# Altium PCB GateDriver_board_pcb.PcbDoc (part 2 of 3) (continued)
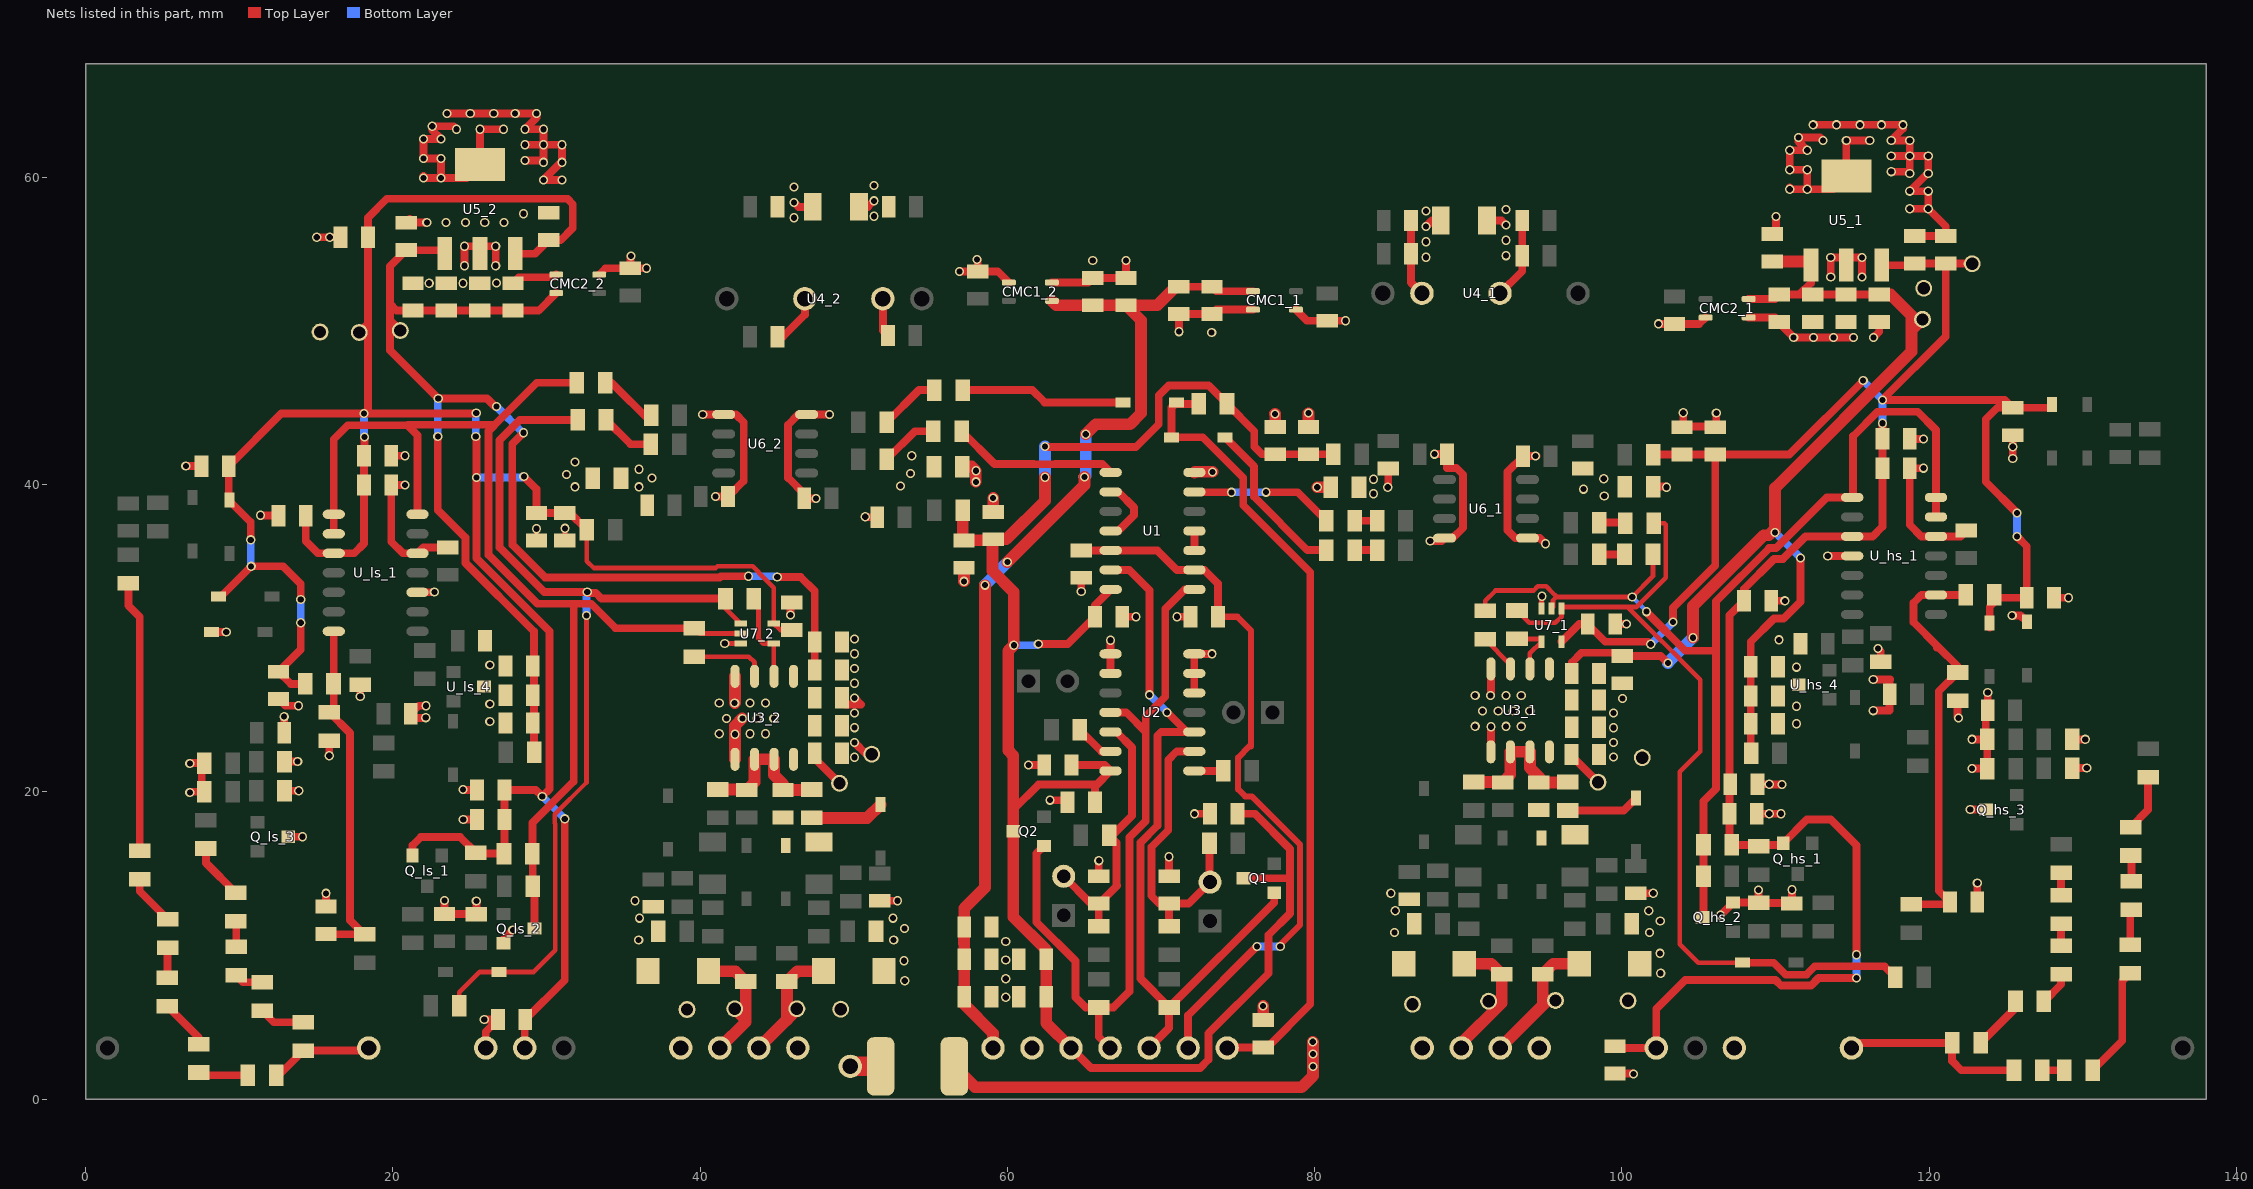
[diagram p2: the nets of this part, all layers, seen from the top]
## Nets (pads, with @x,y where several pads share a name; then routed paths per layer and width w, separated by ;. In a path a pad name is that pad's centre, name@x,y a point inside that pad or via, vN(x,y) a via of type N, cw(c..) or ccw(c..) an arc to the next point about the centre after c; other vN are vias at no path point) (continued)
  Top Layer w0.762: C8.1@57.175,11.199 57.175,10.121 57.191,10.137 C11.1@57.191,9.099 C10.1@57.191,6.652 57.191,6.159 59.065,4.285 PW_12.1@59.065,3.325 ; C8.1@57.191,11.199 57.191,12.416 58.55,13.775 v1(58.55,33.45) ; v1(60,34.95) 65.025,39.975 v1(65.025,40.5) ; CMC1_2.1@62.898,51.957 63.188,51.667 C30_2.1@65.562,51.667 C29_2.1@67.721,51.667 ; v1(65.1,43.275) 65.75,43.925 67.99,43.925 68.7,44.635 68.7,50.688 C29_2.1@67.721,51.667 ; C29_1.1@71.166,52.875 70.975,52.875 69.767,51.667 C29_2.1@67.721,51.667
  Bottom Layer w0.762: v1(58.55,33.45) 58.55,33.484 60,34.934 v1(60,34.95) ; v1(65.025,40.5) 65.1,40.575 v1(65.1,43.275)
\E\R\R_HS: FB12_1.1 Q_hs_2.3 R9_1.1 R_hs_1.1 R_hs_10.1 U7_1.2 U_hs_1.1 U_hs_1.13 U_hs_1.14 | length 71.7
  Top Layer w0.305: R9_1.1@91.1,31.775 91.1,32.425 91.775,33.1 94.248,33.1 94.528,33.381 95.072,33.381 95.552,32.9 95.639,32.814 95.772,32.681 ; U7_1.2@95.425,31.925 95.519,32.019 95.519,32.472 95.728,32.681 95.772,32.681 ; FB12_1.1@102.025,35.475 102.025,35.275 102.025,34.03 v1(100.676,32.681) 95.772,32.681
  Top Layer w0.508: v1(101.605,31.727) 101.605,31.699 104.129,29.175 106.125,29.175 ; FB12_1.1@101.846,35.454 FB12_1.1@102.025,35.275 ; Q_hs_2.3@105.242,11.842 105.317,11.917 R_hs_10.1@105.317,14.509 R_hs_1.1@105.317,16.541 105.317,19.39 106.125,20.198 106.125,29.175 ; U_hs_1.13@120.447,37.891 U_hs_1.14@120.447,39.161 120.447,43.548 119.252,44.743 116.645,44.743 115.055,43.153 115.055,39.219 U_hs_1.1@114.997,39.161 113.332,39.161 110.035,35.864 109.584,35.864 106.125,32.404 106.125,29.175
  Bottom Layer w0.305: v1(100.676,32.681) v1@101.605,31.752 ; v1@101.466,31.865 v1(101.605,31.727) v1@101.731,31.6 ; v1(101.605,31.727) v1@101.605,31.752 ; v1@101.7,31.657 v1@101.605,31.752
\E\R\R_LS: FB12_2.1 Q_ls_2.3 R9_2.1 R_ls_1.1 R_ls_10.1 U7_2.2 U_ls_1.1 U_ls_1.2 U_ls_1.14 | length 79.1
  Top Layer w0.305: R9_2.1@39.625,30.65 39.975,30.3 41.323,30.3 41.328,30.306 42.644,30.306 U7_2.2@42.65,30.3
  Top Layer w0.508: U_ls_1.2@16.154,36.794 U_ls_1.1@16.154,38.064 16.154,42.944 17.067,43.857 20.953,43.857 ; U_ls_1.14@21.604,38.064 21.604,43.206 20.953,43.857 ; 26.636,43.886 26.625,43.875 ; Q_ls_2.3@29.21,11.1 29.21,13.75 R_ls_10.1@29.11,13.85 29.11,15.95 R_ls_1.1@29.085,15.975 29.085,17.989 31.775,20.679 31.775,32.237 ; FB12_2.1@31.975,46.625 29.371,46.625 26.632,43.886 26.614,43.886 ; R9_2.1@39.625,30.65 34.5,30.65 32.913,32.237 31.775,32.237 ; 20.953,43.857 20.981,43.886 26.614,43.886 ; 26.614,43.886 26.625,43.875 ; 26.625,43.875 26.232,43.482 26.232,35.418 29.412,32.237 31.775,32.237
A1_1: FB9_1.2 R20_1.1 | length 1.5
  Top Layer w0.508: FB9_1.2@82.617,37.638 R20_1.1@84.069,37.638
A1_2: FB9_2.2 R20_2.1 | length 3.8
  Top Layer w0.508: R20_2.1@52.147,41.638 53.984,43.475 FB9_2.2@55.175,43.475
A2_1: FB11_1.2 R22_1.1 | length 1.5
  Top Layer w0.508: FB11_1.2@82.617,35.733 R22_1.1@84.069,35.733
A2_2: FB11_2.2 R22_2.1 | length 4
  Top Layer w0.508: R22_2.1@52.147,44.051 54.246,46.15 FB11_2.2@55.25,46.15
B1_1: FB10_1.2 R21_1.1 | length 1.7
  Top Layer w0.508: R21_1.1@98.525,37.525 100.175,37.525 FB10_1.2@100.225,37.475
B1_2: FB10_2.2 R21_2.1 | length 3.6
  Top Layer w0.508: FB10_2.2@33.875,44.225 35.475,42.625 R21_2.1@36.8,42.625
B2_1: FB12_1.2 R23_1.1 | length 1.7
  Top Layer w0.508: R23_1.1@98.525,35.45 100.15,35.45 FB12_1.2@100.175,35.475
B2_2: FB12_2.2 R23_2.1 | length 4.1
  Top Layer w0.508: FB12_2.2@33.825,46.625 34.237,46.625 R23_2.1@36.811,44.051
Command_HS: D_hs_3.2 FB10_1.1 R3_1.1 R_hs_20.2 U7_1.1 | length 55.7
  Top Layer w0.305: R3_1.1@93.175,31.8 93.975,31 95.675,31 96.075,31.4 U7_1.1@96.075,31.925 96.075,32.025 100.375,32.025 ; FB10_1.1@102.075,37.475 102.775,37.475 102.856,37.394 102.856,33.933 100.947,32.025 100.375,32.025 ; D_hs_3.2@107.86,8.875 104.975,8.875 103.775,10.075 103.775,21.3 105.1,22.625 105.1,27.3 103.737,28.663 103.737,28.68 103.305,29.112 103.297,29.112 102.053,30.356 102.044,30.356 100.375,32.025
  Top Layer w0.508: D_hs_3.2@107.86,8.875 109.883,8.875 110.666,8.093 112.014,8.093 112.559,8.638 117.087,8.638 R_hs_20.2@117.8,7.925
Command_LS: D_ls_3.2 FB10_2.1 R3_2.1 R_ls_20.2 U7_2.1 | length 63.2
  Top Layer w0.305: R_ls_20.2@24.325,6.075 24.325,6.95 25.65,8.275 D_ls_3.2@26.915,8.275 29.175,8.275 30.581,9.681 30.581,17.923 30.535,17.969 30.535,18.536 32.604,20.606 v1(32.604,31.475) ; R3_2.1@41.65,32.575 41.65,31.95 U7_2.1@42.65,30.95
  Top Layer w0.508: FB10_2.1@32.025,44.225 32,44.2 28.254,44.2 26.943,42.889 26.943,35.911 29.853,33.002 v1(32.652,33.002) 32.705,32.949 33.207,32.949 33.581,32.575 R3_2.1@41.65,32.575
  Bottom Layer w0.508: v1(32.604,31.475) 32.604,32.375 ; 32.625,32.395 32.604,32.375 ; v1(32.652,33.002) 32.604,32.954 32.604,32.375
Current_ref_sig_hs: C_hs_12.1 R_hs_26.1 R_hs_27.2 R_hs_28.2 U_hs_1.9 | length 27.3
  Top Layer w0.508: R_hs_27.2@118.85,12.675 121.21,12.675 C_hs_12.1@121.36,12.825 120.625,13.56 120.625,26.534 R_hs_28.2@121.858,27.767 ; 120.516,29.382 120.579,29.445 ; R_hs_28.2@121.858,28.167 120.579,29.445 ; R_hs_26.1@122.385,32.811 U_hs_1.9@120.447,32.811 119.5,32.811 118.992,32.303 118.992,31.033 120.579,29.445
Current_ref_sig_ls: C_ls_12.1 R_ls_26.1 R_ls_27.2 R_ls_28.2 U_ls_1.7 | length 23.3
  Top Layer w0.508: C_ls_12.1@15.65,10.75 15.675,10.725 R_ls_27.2@18.185,10.725 ; U_ls_1.7@16.154,30.444 16.154,25.469 R_ls_28.2@15.86,25.175 17.21,23.825 17.21,11.637 R_ls_27.2@18.116,10.731
Drain_hs: D_HS.1 R_hs_2.1 R_hs_15.1 | length 12.1
  Top Layer w0.508: D_HS.1@114.945,3.325 115.27,3.65 R_hs_15.1@121.5,3.65 121.5,2.475 122.1,1.875 R_hs_2.1@125.525,1.875
Drain_hs_1.1: R_hs_2.2 R_hs_3.1 | length 1.4
  Top Layer w0.508: R_hs_2.2@127.375,1.875 R_hs_3.1@128.8,1.875
Drain_hs_1.2: R_hs_3.2 R_hs_4.1 | length 7.3
  Top Layer w0.508: R_hs_3.2@130.65,1.875 132.575,3.8 132.575,7.675 R_hs_4.1@133.1,8.2
Drain_hs_1.3: R_hs_4.2 R_hs_5.1 | length 2.3
  Top Layer w0.508: R_hs_4.2@133.1,10.05 133.1,12.25 R_hs_5.1@133.175,12.325
Drain_hs_1.4: R_hs_5.2 R_hs_6.1 | length 1.7
  Top Layer w0.508: R_hs_6.1@133.125,15.85 133.175,15.8 R_hs_5.2@133.175,14.175
Drain_hs_1.5: R_hs_6.2 R_hs_7.1 | length 3.7
  Top Layer w0.508: R_hs_6.2@133.125,17.7 134.25,18.825 R_hs_7.1@134.25,20.95
Drain_hs_2.1: R_hs_15.2 R_hs_16.1 | length 3.6
  Top Layer w0.508: R_hs_15.2@123.35,3.65 125.625,5.925 R_hs_16.1@125.625,6.35
Drain_hs_2.2: R_hs_16.2 R_hs_17.1 | length 2.2
  Top Layer w0.508: R_hs_16.2@127.475,6.35 128.594,7.469 R_hs_17.1@128.594,8.121
Drain_hs_2.3: R_hs_17.2 R_hs_18.1 | length 1.5
  Top Layer w0.508: R_hs_17.2@128.594,9.971 R_hs_18.1@128.594,11.423
Drain_hs_2.4: R_hs_18.2 R_hs_19.1 | length 1.5
  Top Layer w0.508: R_hs_18.2@128.594,13.273 R_hs_19.1@128.594,14.725
Drain_ls: D_LS.1 R_ls_2.1 R_ls_15.1 | length 6.8
  Top Layer w0.508: R_ls_2.1@12.4,1.55 12.575,1.55 R_ls_15.1@14.175,3.15 18.25,3.15 D_LS.1@18.425,3.325
Drain_ls_1.1: R_ls_2.2 R_ls_3.1 | length 3.3
  Top Layer w0.508: R_ls_3.1@7.35,1.725 7.525,1.55 R_ls_2.2@10.55,1.55
Drain_ls_1.2: R_ls_3.2 R_ls_4.1 | length 3.3
  Top Layer w0.508: R_ls_4.1@5.325,6.05 7.35,4.025 R_ls_3.2@7.35,3.575
Drain_ls_1.3: R_ls_4.2 R_ls_5.1 | length 2
  Top Layer w0.508: R_ls_4.2@5.325,7.9 5.325,9.825 R_ls_5.1@5.35,9.85
Drain_ls_1.4: R_ls_5.2 R_ls_6.1 | length 3.4
  Top Layer w0.508: R_ls_6.1@3.525,14.3 3.525,13.525 R_ls_5.2@5.35,11.7
Drain_ls_1.5: R_ls_6.2 R_ls_7.1 | length 17.7
  Top Layer w0.508: R_ls_7.1@2.785,33.575 2.785,32.123 3.525,31.383 R_ls_6.2@3.525,16.15
Drain_ls_2.1: R_ls_15.2 R_ls_16.1 | length 3
  Top Layer w0.508: R_ls_16.1@11.5,5.75 12.25,5 R_ls_15.2@14.175,5
Drain_ls_2.2: R_ls_16.2 R_ls_17.1 | length 1.9
  Top Layer w0.508: R_ls_17.1@9.8,8.05 10.25,7.6 R_ls_16.2@11.5,7.6
Drain_ls_2.3: R_ls_17.2 R_ls_18.1 | length 1.7
  Top Layer w0.508: R_ls_18.1@9.775,11.575 9.8,11.55 R_ls_17.2@9.8,9.9
Drain_ls_2.4: R_ls_18.2 R_ls_19.1 | length 3.7
  Top Layer w0.508: R_ls_19.1@7.835,16.306 7.835,15.365 R_ls_18.2@9.775,13.425
Driver_command_1: R3_1.2 U3_1.2 U7_1.4 | length 3.8
  Top Layer w0.305: R3_1.2@93.175,29.95 94.6,29.95 U7_1.4@94.775,29.775 94.015,29.015 U3_1.2@94.015,28
Driver_command_2: R3_2.2 U3_2.2 U7_2.4 | length 6.3
  Top Layer w0.305: R3_2.2@43.35,32.8 43.8,32.35 43.8,29.975 44.125,29.65 U7_2.4@44.8,29.65 44.8,27.528 U3_2.2@44.813,27.515
Driver_enable_1: R9_1.2 U3_1.3 | length 2.6
  Top Layer w0.305: R9_1.2@91.1,29.925 92.745,28.28 U3_1.3@92.745,28
Driver_enable_2: R9_2.2 U3_2.3 | length 5
  Top Layer w0.305: R9_2.2@39.625,28.8 43.175,28.8 43.543,28.432 U3_2.3@43.543,27.515
enable: C3.1 C4.1 EN.1 U1.2 U1.12 | length 48
  Top Layer w0.254: v1@77.666,9.929 v1(77.766,9.929)
  Top Layer w0.4: C4.1@73.703,31.392 74.972,31.392 75.871,30.493 75.871,24.681 75.861,24.671 75.861,22.965 75.758,22.965 75.019,22.226 75.019,20.169 75.489,19.699 75.91,19.699 79.058,16.551 79.058,11.348 77.666,9.956 v1@77.666,9.929
  Top Layer w0.508: C3.1@64.812,35.711 C3.1@64.812,35.711 U1.12@66.728,35.71 69.765,35.71 71.035,34.44 U1.2@72.178,34.44 72.823,34.44 73.703,33.56 C4.1@73.703,31.392 ; EN.1@71.765,3.325 71.765,5.452 v1(76.242,9.929)
  Bottom Layer w0.508: v1(76.242,9.929) v1(77.766,9.929)
ERR: C6.1 D2.1 D3.1 ERROR.1 R6.1 | length 52.3
  Top Layer w0.508: R6.1@72.45,45.25 71.115,45.25 D3.1@71.015,45.35 70.685,45.02 D2.1@70.685,43.075 72.708,43.075 75.35,40.433 75.35,38.65 79.715,34.285 79.715,6.165 76.91,3.36 C6.1@76.65,3.36 74.34,3.36 ERROR.1@74.305,3.325
G1_1: D7_1.2 FB2_1.2 G_HS_1.1 TP3_1.1 | length 9.6
  Top Layer w0.762: G_HS_1.1@92.085,3.325 94.852,6.092 ; TP3_1.1@95.677,6.419 95.179,6.419 94.852,6.092 ; D7_1.2@97.232,8.81 95.527,8.81 FB2_1.2@94.852,8.135 94.852,6.092
G1_2: D7_2.2 FB2_2.2 G_LS_1.1 TP3_2.1 | length 8.7
  Top Layer w0.762: G_LS_1.1@43.825,3.325 45.65,5.15 ; TP3_2.1@46.3,5.875 46.3,5.8 45.65,5.15 ; D7_2.2@48.03,8.325 46.325,8.325 FB2_2.2@45.65,7.65 45.65,5.15
G2_1: D10_1.2 FB4_1.2 G_HS_2.1 TP5_1.1 | length 9.5
  Top Layer w0.762: G_HS_2.1@89.545,3.325 89.545,3.62 92.177,6.252 ; D10_1.2@89.747,8.81 91.502,8.81 FB4_1.2@92.177,8.135 92.177,6.252 ; TP5_1.1@91.327,6.369 92.06,6.369 92.177,6.252
G2_2: D10_2.2 FB4_2.2 G_LS_2.1 TP5_2.1 | length 8.8
  Top Layer w0.762: D10_2.2@40.545,8.325 42.3,8.325 FB4_2.2@42.975,7.65 42.975,5.15 ; G_LS_2.1@41.285,3.325 42.975,5.015 42.975,5.15 ; TP5_2.1@42.25,5.875 42.975,5.15
GND: C1.2 C2.2 C3.2 C4.2 C5.2 C6.2 C7.2 C8.2 C10.2 C11.2 C12.2 C13.2 C14.2 C15.2 C29_1.2 C29_2.2 C30_1.2 C30_2.2 C42_1.2 C42_2.2 C43_1.2 C43_2.2 C50.2 CMC1_1.2 CMC1_2.2 FB7_1.1 FB7_2.1 PW_0.1 U1.7 U2.5 U2.6 U2.7 U2.8 U2.9 | length 60.8
  Top Layer w0.508: v1(61.383,21.74) C2.2@62.398,21.74 ; v1(62.78,19.454) 63.795,19.454 C12.2@63.922,19.327 ; CMC1_2.2@62.898,53.157 65.272,53.157 C30_2.2@65.562,53.447 C29_2.2@67.721,53.447 v1(67.721,54.589) ; v1(64.812,33.043) C3.2@64.812,33.931 ; C7.2@65.955,14.502 v1(65.955,15.517) ; U2.9@66.717,27.709 U2.8@66.717,28.979 v1(66.717,29.868) ; C1.2@67.48,31.392 v1(68.368,31.392) ; C5.2@70.527,14.502 v1(70.527,15.771) ; v1(71.035,31.392) C4.2@71.923,31.392 ; v1(71.166,49.953) C29_1.2@71.166,51.095 C30_1.2@73.325,51.095 73.615,51.385 CMC1_1.2@75.989,51.385 ; U2.5@72.167,26.439 U2.6@72.167,27.709 U2.7@72.167,28.979 v1(73.321,28.979) ; v1(72.178,18.565) C13.2@73.193,18.565
  Top Layer w0.762: C50.2@56.55,2.125 57.9,0.775 79.15,0.775 79.9,1.525 v1(79.9,2.125) v1(79.9,2.925) 79.9,3.7 v1(79.875,3.725) ; FB7_2.1@57.077,41.174 57.676,41.174 v1(57.95,40.9) v1(57.95,40.175) ; v1(57.175,33.7) C42_2.2@57.175,34.588 ; C43_2.2@59.075,38.215 v1(59.075,39.125) ; U1.7@72.178,40.79 72.213,40.825 v1(73.35,40.825) ; C6.2@76.65,5.14 v1(76.65,6.05) ; v1(77.425,44.6) 77.443,44.582 C43_1.2@77.443,43.756 ; v1(79.6,44.65) 79.602,44.648 C42_1.2@79.602,43.756 ; v1(80.175,39.825) 80.177,39.827 FB7_1.1@81.042,39.827
  other v1: 59.9,6.625 59.9,7.833 59.9,9.042 59.9,10.25 73.3,49.9 65.562,54.589
GND_iso_hs: C9_1.2 C17_1.2 C18_1.2 C19_1.2 C20_1.2 C21_1.2 C23_1.2 C25_1.2 C31_1.2 C32_1.2 C33_1.2 C37_1.2 C38_1.2 C39_1.2 C40_1.2 C48_1.2 C49_1.2 C_hs_1.2 C_hs_2.2 C_hs_3.2 C_hs_5.2 C_hs_6.2 C_hs_7.2 C_hs_8.2 C_hs_9.2 C_hs_10.2 C_hs_11.2 C_hs_12.2 C_hs_13.2 C_hs_14.2 C_hs_15.2 C_hs_16.2 C_hs_17.2 C_hs_18.2 CMC2_1.3 D7_1.1 D10_1.1 D_hs_5.1 FB8_1.2 GND_SENSE_HS.1 Q_hs_2.2 Q_hs_3.3 R15_1.1 R19_1.1 R_hs_14.1 R_hs_21.1 R_hs_22.1 R_hs_23.1 R_hs_24.1 R_hs_28.1 R_hs_29.1 S_HS_1.1 S_HS_2.1 TP2_1.1 TP4_1.1 TP6_1.1 TP10_1.1 U3_1.4 U3_1.5 U5_1.2 U7_1.3 U_hs_1.4 U_hs_1.12 U_hs_4.3 | length 109.8
  Top Layer w0.305: U7_1.3@94.775,31.925 94.775,32.7 v1(94.8,32.725)
  Top Layer w0.508: v1(91.452,26.26) 91.475,26.283 U3_1.4@91.475,28 ; U3_1.5@91.475,22.6 91.475,24.233 v1(91.477,24.235) ; C21_1.2@99.565,30.925 v1(100.3,30.925) ; C_hs_18.2@99.625,1.735 C_hs_18.2@99.55,1.66 100.715,1.66 v1(100.75,1.625) ; C23_1.2@100.902,13.395 v1(102.042,13.395) ; FB8_1.2@102.047,39.868 102.857,39.868 v1(102.9,39.825) ; v1(104,44.675) 103.991,44.666 103.991,43.781 106.15,43.781 v1(106.15,44.65) ; v1(106.419,11.969) Q_hs_2.2@107.242,12.792 108.876,12.792 R_hs_14.1@108.901,12.767 ; CMC2_1.3@108.253,50.877 109.962,50.877 C37_1.2@110.252,50.587 110.252,50.504 v1(111.184,49.572) v1(112.483,49.572) v1(113.781,49.572) v1(115.08,49.572) ; C_hs_16.2@108.783,18.573 v1(109.594,18.573) v1(110.356,18.573) ; C_hs_14.2@108.833,20.492 v1(109.594,20.492) 109.611,20.475 v1(110.425,20.475) ; v1(108.901,13.612) R_hs_14.1@108.901,12.767 ; C_hs_1.2@109.722,32.43 v1(110.61,32.43) ; C31_1.2@109.8,56.304 110.041,56.545 v1(110.041,57.446) ; v1@110.93,59.355 v1(110.93,59.224) v1(112.073,59.224) ; v1(111.068,13.62) 111.068,12.74 C_hs_6.2@111.06,12.732 111.025,12.767 R_hs_14.1@108.901,12.767 ; v1(112.454,63.415) v1(113.978,63.415) v1(115.502,63.415) v1(116.899,63.415) v1(118.296,63.415) 118.296,63.161 v1(117.534,62.399) v1(118.741,62.399) v1(118.741,61.383) ; v1(113.089,62.399) 112.899,62.589 v1(111.502,62.589) 111.502,62.335 v1(112.073,61.764) v1(110.93,61.764) v1(110.93,60.494) v1(112.073,60.494) v1(112.073,59.224) ; v1(113.404,35.351) U_hs_1.4@114.997,35.351 ; v1(113.597,53.509) v1(113.597,54.779) v1(115.629,54.779) v1(115.629,53.509) ; v1(116.137,62.399) v1(114.613,62.399) U5_1.2@114.613,60.092 113.745,59.224 v1(112.073,59.224) ; v1(116.361,25.282) 117.432,25.282 117.432,27.279 117.467,27.314 v1(116.361,27.314) ; v1(116.378,49.572) 116.759,49.953 C40_1.2@116.759,50.587 ; v1(116.675,29.325) 116.85,29.15 R_hs_29.1@116.85,28.475 ; v1(117.534,60.367) 118.614,60.367 v1(118.741,60.24) v1(118.741,61.383) ; v1(117.534,61.383) v1(118.741,61.383) ; C_hs_2.2@118.739,42.971 v1(119.627,42.971) ; v1(118.741,57.954) v1(119.947,57.954) ; C33_1.2@119.071,56.177 C32_1.2@121.09,56.177 121.09,56.811 v1(119.947,57.954) ; v1(119.627,41.066) C_hs_3.2@118.739,41.066 118.739,37.382 119.5,36.621 U_hs_1.12@120.447,36.621 122.039,36.621 C_hs_13.2@122.421,37.003 ; R_hs_28.1@121.858,25.917 121.858,24.865 v1(121.913,24.81) ; v1(122.675,18.841) Q_hs_3.3@123.707,18.841 ; v1(122.802,21.508) R_hs_21.1@123.782,21.508 R_hs_23.1@123.782,23.413 v1(122.802,23.413) ; C_hs_12.2@123.14,12.825 v1(123.14,14.06) ; R_hs_23.1@123.691,23.54 123.691,25.192 C_hs_7.2@123.817,25.318 v1(123.817,26.46) ; v1(125.406,31.477) 125.948,31.477 D_hs_5.1@126.358,31.067 ; v1(125.442,41.701) C_hs_17.2@125.442,43.213 ; C_hs_15.2@128.137,32.629 v1(129.08,32.629) ; R_hs_22.1@129.315,21.544 v1(130.259,21.544) ; R_hs_24.1@129.315,23.413 v1(130.168,23.413) ; v1(118.741,61.383) v1(119.947,61.383) v1(119.947,60.24) 119.884,60.24 v1(118.741,59.097) v1(119.947,59.097) v1(119.947,57.954)
  other v1: 102.527,8.185 102.477,9.485 85.202,10.835 101.802,10.835 102.502,11.585 85.252,12.26 101.752,12.26 84.962,13.395 99.448,22.261 99.448,23.214 99.448,24.168 90.452,24.26 92.452,24.26 93.452,24.26 111.372,24.429 99.448,25.121 90.927,25.26 91.952,25.26 92.927,25.26 94.002,25.26 111.372,25.572 100.05,26.075 90.452,26.26 92.452,26.26 93.452,26.26 111.372,28.112 110.229,29.89 125.442,42.457
GND_iso_ls: C9_2.2 C17_2.2 C18_2.2 C19_2.2 C20_2.2 C21_2.2 C23_2.2 C25_2.2 C31_2.2 C32_2.2 C33_2.2 C37_2.2 C38_2.2 C39_2.2 C40_2.2 C48_2.2 C49_2.2 C_ls_1.2 C_ls_2.2 C_ls_3.2 C_ls_5.2 C_ls_6.2 C_ls_7.2 C_ls_8.2 C_ls_9.2 C_ls_10.2 C_ls_11.2 C_ls_12.2 C_ls_13.2 C_ls_14.2 C_ls_15.2 C_ls_16.2 C_ls_17.2 C_ls_18.2 CMC2_2.3 D7_2.1 D10_2.1 D_ls_5.1 FB8_2.2 GND_SENSE_LS.1 Q_ls_2.2 Q_ls_3.3 R15_2.1 R19_2.1 R_ls_14.1 R_ls_21.1 R_ls_22.1 R_ls_23.1 R_ls_24.1 R_ls_28.1 R_ls_29.1 S_LS_1.1 S_LS_2.1 TP2_2.1 TP4_2.1 TP6_2.1 TP10_2.1 U3_2.4 U3_2.5 U5_2.2 U7_2.3 U_ls_1.10 U_ls_1.12 U_ls_4.3 | length 94.1
  Top Layer w0.305: C48_2.2@29.35,36.36 v1(29.35,37.125) ; C49_2.2@31.2,36.36 v1(31.2,37.15) ; v1(41.6,29.65) U7_2.3@42.65,29.65
  Top Layer w0.508: v1(6.525,41.2) C_ls_17.2@7.535,41.2 ; v1(6.785,19.95) 6.835,20 7.556,20 7.556,21.869 6.804,21.869 v1(6.785,21.85) ; D_ls_5.1@8.205,30.4 v1(9.15,30.4) ; v1(11.375,38) 11.4,37.975 C_ls_1.2@12.55,37.975 ; C_ls_15.2@12.56,26.035 12.995,25.6 v1(13.86,25.6) ; C_ls_7.2@12.925,23.85 v1(12.925,24.89) ; R_ls_21.1@12.948,20.064 v1(13.871,20.064) ; R_ls_23.1@12.948,21.969 v1(13.804,21.969) ; Q_ls_3.3@13.185,17.075 v1(14.11,17.075) ; v1(15.05,56.1) v1(15.887,56.1) C32_2.2@16.597,56.1 ; C_ls_12.2@15.65,12.53 v1(15.65,13.39) ; v1(15.86,22.35) R_ls_28.1@15.86,23.325 ; v1(17.875,26.2) R_ls_29.1@17.875,26.975 ; C_ls_2.2@19.896,41.874 v1(20.784,41.874) ; v1(20.784,39.969) C_ls_3.2@19.896,39.969 19.896,36.285 20.657,35.524 U_ls_1.12@21.604,35.524 21.986,35.906 C_ls_13.2@23.578,35.906 ; C31_2.2@20.862,57.037 21.103,57.278 21.356,57.025 21.381,57.05 v1(22.212,57.05) ; U_ls_1.10@21.604,32.984 22.684,32.984 v1(22.7,33) ; v1@21.992,60.088 v1(21.992,59.957) v1(23.135,59.957) ; v1(22.141,24.826) 22.116,24.801 21.439,24.801 C_ls_5.2@21.165,25.075 21.69,25.6 v1(22.15,25.6) ; v1(23.36,12.925) C_ls_6.2@23.36,12.05 25.41,12.05 R_ls_14.1@25.435,12.025 v1(25.435,12.9) ; v1(23.516,64.148) v1(25.04,64.148) v1(26.564,64.148) v1(27.961,64.148) v1(29.358,64.148) 29.358,63.894 v1(28.596,63.132) v1(29.803,63.132) v1(29.803,62.116) ; v1(24.151,63.132) 23.961,63.322 v1(22.564,63.322) 22.564,63.068 v1(23.135,62.497) v1(21.992,62.497) v1(21.992,61.227) v1(23.135,61.227) v1(23.135,59.957) ; v1(24.56,20.15) 24.591,20.119 C_ls_16.2@25.478,20.119 ; v1(24.585,18.2) C_ls_14.2@25.428,18.2 ; v1(24.659,54.242) v1(24.659,55.512) v1(26.691,55.512) v1(26.691,54.242) ; v1(25.95,5.175) C_ls_18.2@26.835,5.175 26.045,4.385 GND_SENSE_LS.1@26.045,3.325 ; v1(27.199,63.132) v1(25.675,63.132) U5_2.2@25.675,60.825 24.807,59.957 v1(23.135,59.957) ; Q_ls_2.2@27.21,10.15 27.21,10.4 v1(27.81,11) ; C40_2.2@27.821,53.1 28.214,53.493 30.462,53.493 CMC2_2.3@30.634,53.665 ; v1(28.596,61.1) 29.676,61.1 v1(29.803,60.973) v1(29.803,62.116) ; v1(28.596,62.116) v1(29.803,62.116) ; v1(31.009,59.83) v1(29.803,59.83) 30.946,60.973 v1(31.009,60.973) v1(31.009,62.116) v1(29.803,62.116) ; S_LS_2.1@38.635,3.215 S_LS_2.1@38.745,3.325 ; v1(45.877,31.502) 45.877,32.217 C21_2.2@45.975,32.315 ; C9_2.2@49.5,25.675 50.475,25.675 v1(50.05,26.1) ; v1(50.05,23.213) 50.812,22.45 TP2_2.1@51.175,22.45 ; C23_2.2@51.7,12.91 v1(52.84,12.91)
  Top Layer w0.762: v1(42.25,25.775) 42.273,25.798 U3_2.4@42.273,27.515 ; U3_2.5@42.273,22.115 42.273,24.298 v1(42.75,24.775)
  other v1: 53.325,7.7 53.275,9 36,10.35 52.6,10.35 53.3,11.1 36.05,11.775 52.55,11.775 35.76,12.91 50.05,22.25 42.275,23.75 41.25,23.775 43.25,23.775 44.25,23.775 50.05,24.175 26.313,24.567 41.725,24.775 43.725,24.775 44.8,24.775 50.05,25.138 26.313,25.71 41.25,25.775 43.25,25.775 44.25,25.775 50.05,27.063 50.05,28.025 26.313,28.25 50.05,28.988 50.05,29.95 31.85,39.85 31.294,40.662 31.85,41.475 22.362,53.1 24.562,53.1 26.737,53.125 23.467,57.05 24.722,57.05 25.977,57.05 27.232,57.05 28.512,57.625
GND_iso_sig_iso_1: C46_1.2 C47_1.2 FB8_1.1 U6_1.5 | length 8.9
  Top Layer w0.508: v1@94.44,41.854 v1(94.381,41.854) 93.575,41.854 C47_1.2@93.571,41.85 92.556,40.835 92.556,37.024 93.064,36.516 U6_1.5@93.859,36.516 94.659,36.516 v1(95.025,36.15)
  other v1: 98.85,39.25 97.5,39.7 98.825,40.375
GND_iso_sig_iso_2: C46_2.2 C47_2.2 FB8_2.1 U6_2.5 | length 8.9
  Top Layer w0.508: v1(40.174,44.559) U6_2.5@41.537,44.559 42.332,44.559 42.84,44.051 42.84,40.24 C47_2.2@41.825,39.225 41.822,39.228 v1(41.003,39.228)
  other v1: 36.025,39.85 36.875,40.425 36.025,41
GND_sig_iso_1: C44_1.2 C45_1.2 FB7_1.2 U6_1.4 | length 10
  Top Layer w0.508: v1@84.791,40.03 84.791,40.791 84.664,40.918 C44_1.2@84.791,41.045 ; v1(87.531,36.328) 88.271,36.328 U6_1.4@88.459,36.516 89,36.516 89.666,37.182 89.666,40.64 89.223,41.083 88.62,41.083 C45_1.2@88.62,41.977 88.618,41.979 v1(87.806,41.979)
  other v1: 83.825,39.4 84.761,39.826 83.842,40.341
GND_sig_iso_2: C44_2.2 C45_2.2 FB7_2.2 U6_2.4 | length 9.8
  Top Layer w0.508: v1(47.548,39.098) C45_2.2@46.776,39.098 46.776,39.389 45.73,40.435 45.73,43.893 46.396,44.559 U6_2.4@46.937,44.559 v1(48.427,44.559) ; v1(50.75,37.9) 50.775,37.875 C44_2.2@51.535,37.875
  other v1: 53.05,39.9 53.7,40.725 53.775,41.875
HF_bounding: BD1.1 C50.1 | length 2
  Top Layer w1.27: BD1.1@49.775,2.125 C50.1@51.75,2.125
HS_command: FB9_1.1 U1.6 | length 9.4
  Top Layer w0.508: U1.6@72.178,39.52 72.205,39.493 v1(74.593,39.493) ; v1@76.794,39.503 v1(76.83,39.503) 78.902,39.503 FB9_1.1@80.767,37.638
  Bottom Layer w0.508: v1(74.593,39.493) 76.819,39.493 v1(76.83,39.503)
HS_delayed: C7.1 P6.2 R8.2 R11.2 U2.12 | length 18
  Top Layer w0.508: P6.2@63.669,14.501 65.448,12.722 C7.1@65.955,12.722 ; R11.2@65.955,11.235 C7.1@65.955,12.722 ; U2.12@66.717,23.899 67.098,23.899 68.114,22.883 68.114,18.438 66.844,17.168 R8.2@66.626,17.168 67.107,16.687 67.107,13.946 67.149,13.904 65.967,12.722 C7.1@65.955,12.722
HS_ERR: D2.2 FB11_1.1 | length 10.8
  Top Layer w0.508: D2.2@74.165,43.075 76.061,41.179 76.061,39.202 79.53,35.733 FB11_1.1@80.767,35.733
HS_inhibition: R1.1 U2.1 | length 1.9
  Top Layer w0.508: U2.1@72.167,21.359 R1.1@74.047,21.359
HS_input: IN_HS.1 Q2.1 R10.1 U1.1 U2.11 | length 49.4
  Top Layer w0.508: Q2.1@62.383,16.472 61.891,15.98 61.891,11.526 64.431,8.986 64.431,6.627 65.102,5.956 R10.1@65.955,5.956 ; IN_HS.1@66.685,3.325 65.955,4.055 R10.1@65.955,5.956 ; U2.11@66.717,25.169 67.733,25.169 69.012,23.89 ; U1.1@72.178,33.17 71.543,33.17 70.273,31.9 70.273,26.185 69.012,24.924 69.012,23.89 ; R10.1@65.955,5.956 66.9,5.956 67.952,7.008 67.952,17.041 69.012,18.101 69.012,23.89
HS_input_masked: U1.3 U1.4 | length 1.3
  Top Layer w0.508: U1.3@72.178,35.71 U1.4@72.178,36.98
LS_command: FB9_2.1 U1.8 | length 10.8
  Top Layer w0.508: FB9_2.1@57.025,43.475 59.162,41.338 61.716,41.338 61.733,41.321 63.117,41.321 63.134,41.338 66.18,41.338 U1.8@66.728,40.79
LS_delayed: C5.1 P3.2 R2.2 R5.2 U2.2 | length 19.9
  Top Layer w0.508: R5.2@70.527,11.235 C5.1@70.527,12.722 ; U2.2@72.167,22.629 71.035,22.629 70.476,22.07 70.476,17.498 69.375,16.397 69.375,13.24 69.893,12.722 C5.1@70.527,12.722 ; R2.2@73.158,16.66 73.158,14.156 P3.2@73.194,14.12 71.796,12.722 C5.1@70.527,12.722
LS_ERR: D3.2 FB11_2.1 | length 10.8
  Top Layer w0.508: FB11_2.1@57.1,46.15 61.625,46.15 62.425,45.35 D3.2@67.535,45.35
LS_inhibition: R7.1 U2.13 | length 2.6
  Top Layer w0.508: R7.1@64.721,24.026 66.118,22.629 U2.13@66.717,22.629
LS_input: IN_LS.1 Q1.1 R4.1 U1.13 U2.3 | length 48.2
  Top Layer w0.508: U1.13@66.728,34.44 67.936,34.44 69.257,33.119 v1(69.257,26.312) ; IN_LS.1@69.225,3.325 70.527,4.627 R4.1@70.527,5.956 ; v1(70.4,25.169) U2.3@71.67,23.899 ; U2.3@72.167,23.899 U2.3@71.67,23.899 ; Q1.1@77.369,13.424 77.369,12.798 R4.1@70.527,5.956 ; R4.1@70.527,5.956 70.527,5.984 68.664,7.848 68.664,16.691 69.765,17.793 69.765,23.645 70.019,23.899 U2.3@71.67,23.899
  Bottom Layer w0.508: v1(69.257,26.312) v1(70.4,25.169)
LS_input_masked: U1.9 U1.11 | length 4.4
  Top Layer w0.508: U1.11@66.728,36.98 67.225,36.98 68.241,37.996 68.241,38.504 67.225,39.52 U1.9@66.728,39.52
NetC1_1_1: C1_1.1 C26_1.2 C27_1.2 C28_1.2 CMC1_1.3 U4_1.2 | length 9.7
  Top Layer w0.508: CMC1_1.3@78.789,51.385 79.509,50.665 C27_1.2@80.818,50.665 v1(82.01,50.665) ; C26_1.2@86.28,57.192 C28_1.2@86.28,55.033 86.28,53.153 U4_1.2@86.988,52.445 ; v1(87.25,56.8) 87.642,57.192 C1_1.1@88.221,57.192
  other v1: 87.25,54.8 87.25,55.8 87.25,57.8
NetC1_1_2: C1_1.2 C34_1.2 C35_1.2 C36_1.2 CMC2_1.2 U4_1.4 | length 9.9
  Top Layer w0.508: C1_1.2@91.221,57.192 92.158,57.192 v1(92.45,56.9) ; U4_1.4@92.068,52.445 93.517,53.894 C34_1.2@93.517,54.882 C35_1.2@93.517,57.192 ; v1(102.385,50.46) C36_1.2@103.424,50.46 105.036,50.46 CMC2_1.2@105.453,50.877
  other v1: 92.45,54.9 92.45,55.9 92.45,57.9
NetC1_2_1: C1_2.1 C26_2.2 C27_2.2 C28_2.2 CMC1_2.3 U4_2.2 | length 8
  Top Layer w0.508: C1_2.1@50.341,58.075 50.92,58.075 v1(51.312,58.467) ; U4_2.2@51.899,52.097 51.899,50.026 C28_2.2@52.225,49.7 ; v1(56.877,53.877) C27_2.2@58.069,53.877 ; v1(58.025,54.65) cw(c57.919,54.544) 58.069,54.544 C27_2.2@58.069,53.877 ; CMC1_2.3@60.098,53.157 59.378,53.877 C27_2.2@58.069,53.877
  other v1: 51.312,57.467 51.312,59.467
NetC1_2_2: C1_2.2 C34_2.2 C35_2.2 C36_2.2 CMC2_2.2 U4_2.4 | length 8.8
  Top Layer w0.508: CMC2_2.2@33.434,53.665 33.851,54.082 C36_2.2@35.463,54.082 ; v1(35.5,54.875) ccw(c35.589,54.786) 35.463,54.786 C36_2.2@35.463,54.082 ; v1(36.502,54.082) C36_2.2@35.463,54.082 ; C34_2.2@45.03,49.625 45.39,49.625 46.819,51.054 U4_2.4@46.819,52.097 ; v1(46.112,58.367) 46.404,58.075 C1_2.2@47.341,58.075
  other v1: 46.112,57.367 46.112,59.367
NetC22_1_1: C22_1.1 D5_1.2 D6_1.2 R12_1.1 R13_1.1 | length 4.8
  Top Layer w0.508: R12_1.1@96.477,18.785 100.12,18.785 D6_1.2@100.925,19.59
NetC22_1_2: C22_1.2 C24_1.2 R12_1.2 R16_1.2 U3_1.6 U3_1.7 | length 9.5
  Top Layer w0.762: R16_1.2@90.352,20.635 92.206,20.635 C24_1.2@92.241,20.6 92.745,21.104 U3_1.6@92.745,22.6 U3_1.7@94.015,22.6 94.015,21.572 94.602,20.985 C22_1.2@94.602,20.6 96.442,20.6 R12_1.2@96.477,20.635
NetC22_2_1: C22_2.1 D5_2.2 D6_2.2 R12_2.1 R13_2.1 | length 4.8
  Top Layer w0.762: R12_2.1@47.275,18.3 50.885,18.3 D6_2.2@51.75,19.165
NetC22_2_2: C22_2.2 C24_2.2 R12_2.2 R16_2.2 U3_2.6 U3_2.7 | length 9.5
  Top Layer w0.762: R16_2.2@41.15,20.15 43.004,20.15 C24_2.2@43.039,20.115 43.543,20.619 U3_2.6@43.543,22.115 U3_2.7@44.813,22.115 44.813,21.087 45.4,20.5 C22_2.2@45.4,20.115 47.24,20.115 R12_2.2@47.275,20.15